# KiCad board demomatrix.kicad_pcb (continued)
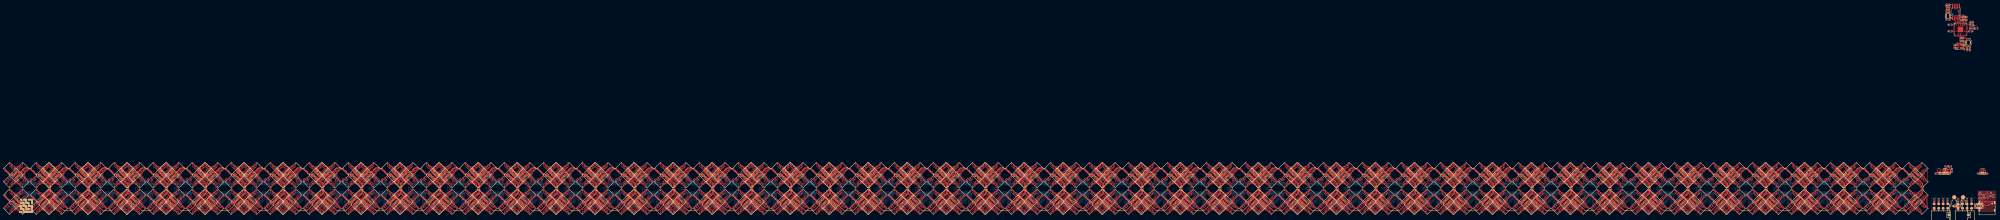
[diagram p0: board, top side]
## Library data of the parts (continued)
C409 = -: Datasheet: https://www.lcsc.com/datasheet/lcsc_datasheet_2304140030_Samsung-Electro-Mechanics-CL21A106KAYNNNE_C15850.pdf; LCSC: C15850; Manufacturer: Samsung Electro-Mechanics; Partnumber: CL21A106KAYNNNE; PARAM_capacitance: {"type": "Quantity_Interval_Disjoint", "data": {"intervals": {"type": "Numeric_Interval_Disjoint", "data": {"intervals": [{"type": "Numeric_Interval", "data": {"min": 8.999999985e-06, "max": 1.1000000015e-05}}]}}, "unit": "farad"}}; PARAM_max_voltage: {"type": "Quantity_Set_Discrete", "data": {"intervals": {"type": "Numeric_Interval_Disjoint", "data": {"intervals": [{"type": "Numeric_Interval", "data": {"min": 25.0, "max": 25.0}}]}}, "unit": "volt"}}; PARAM_temperature_coefficient: {"type": "EnumSet", "data": {"elements": [{"name": "X5R"}], "enum": {"name": "TemperatureCoefficient", "values": {"Y5V": 1, "Z5U": 2, "X7S": 3, "X5R": 4, "X6R": 5, "X7R": 6, "X8R": 7, "C0G": 8}}}}; atopile_address: clusters[45].decoupling_capacitors[3]; atopile_subaddresses: [elec/layout/cluster2x2/cluster2x2.kicad_pcb:decoupling_capacitors[3]]
C410 = -: Datasheet: https://www.lcsc.com/datasheet/lcsc_datasheet_2304140030_Samsung-Electro-Mechanics-CL21A106KAYNNNE_C15850.pdf; LCSC: C15850; Manufacturer: Samsung Electro-Mechanics; Partnumber: CL21A106KAYNNNE; PARAM_capacitance: {"type": "Quantity_Interval_Disjoint", "data": {"intervals": {"type": "Numeric_Interval_Disjoint", "data": {"intervals": [{"type": "Numeric_Interval", "data": {"min": 8.999999985e-06, "max": 1.1000000015e-05}}]}}, "unit": "farad"}}; PARAM_max_voltage: {"type": "Quantity_Set_Discrete", "data": {"intervals": {"type": "Numeric_Interval_Disjoint", "data": {"intervals": [{"type": "Numeric_Interval", "data": {"min": 25.0, "max": 25.0}}]}}, "unit": "volt"}}; PARAM_temperature_coefficient: {"type": "EnumSet", "data": {"elements": [{"name": "X5R"}], "enum": {"name": "TemperatureCoefficient", "values": {"Y5V": 1, "Z5U": 2, "X7S": 3, "X5R": 4, "X6R": 5, "X7R": 6, "X8R": 7, "C0G": 8}}}}; atopile_address: clusters[45].decoupling_capacitors[4]; atopile_subaddresses: [elec/layout/cluster2x2/cluster2x2.kicad_pcb:decoupling_capacitors[4]]
C411 = -: Datasheet: https://www.lcsc.com/datasheet/lcsc_datasheet_2304140030_Samsung-Electro-Mechanics-CL21A106KAYNNNE_C15850.pdf; LCSC: C15850; Manufacturer: Samsung Electro-Mechanics; Partnumber: CL21A106KAYNNNE; PARAM_capacitance: {"type": "Quantity_Interval_Disjoint", "data": {"intervals": {"type": "Numeric_Interval_Disjoint", "data": {"intervals": [{"type": "Numeric_Interval", "data": {"min": 8.999999985e-06, "max": 1.1000000015e-05}}]}}, "unit": "farad"}}; PARAM_max_voltage: {"type": "Quantity_Set_Discrete", "data": {"intervals": {"type": "Numeric_Interval_Disjoint", "data": {"intervals": [{"type": "Numeric_Interval", "data": {"min": 25.0, "max": 25.0}}]}}, "unit": "volt"}}; PARAM_temperature_coefficient: {"type": "EnumSet", "data": {"elements": [{"name": "X5R"}], "enum": {"name": "TemperatureCoefficient", "values": {"Y5V": 1, "Z5U": 2, "X7S": 3, "X5R": 4, "X6R": 5, "X7R": 6, "X8R": 7, "C0G": 8}}}}; atopile_address: clusters[45].decoupling_capacitors[5]; atopile_subaddresses: [elec/layout/cluster2x2/cluster2x2.kicad_pcb:decoupling_capacitors[5]]
C412 = -: Datasheet: https://www.lcsc.com/datasheet/lcsc_datasheet_2304140030_Samsung-Electro-Mechanics-CL21A106KAYNNNE_C15850.pdf; LCSC: C15850; Manufacturer: Samsung Electro-Mechanics; Partnumber: CL21A106KAYNNNE; PARAM_capacitance: {"type": "Quantity_Interval_Disjoint", "data": {"intervals": {"type": "Numeric_Interval_Disjoint", "data": {"intervals": [{"type": "Numeric_Interval", "data": {"min": 8.999999985e-06, "max": 1.1000000015e-05}}]}}, "unit": "farad"}}; PARAM_max_voltage: {"type": "Quantity_Set_Discrete", "data": {"intervals": {"type": "Numeric_Interval_Disjoint", "data": {"intervals": [{"type": "Numeric_Interval", "data": {"min": 25.0, "max": 25.0}}]}}, "unit": "volt"}}; PARAM_temperature_coefficient: {"type": "EnumSet", "data": {"elements": [{"name": "X5R"}], "enum": {"name": "TemperatureCoefficient", "values": {"Y5V": 1, "Z5U": 2, "X7S": 3, "X5R": 4, "X6R": 5, "X7R": 6, "X8R": 7, "C0G": 8}}}}; atopile_address: clusters[45].decoupling_capacitors[6]; atopile_subaddresses: [elec/layout/cluster2x2/cluster2x2.kicad_pcb:decoupling_capacitors[6]]
C413 = -: Datasheet: https://www.lcsc.com/datasheet/lcsc_datasheet_2304140030_Samsung-Electro-Mechanics-CL21A106KAYNNNE_C15850.pdf; LCSC: C15850; Manufacturer: Samsung Electro-Mechanics; Partnumber: CL21A106KAYNNNE; PARAM_capacitance: {"type": "Quantity_Interval_Disjoint", "data": {"intervals": {"type": "Numeric_Interval_Disjoint", "data": {"intervals": [{"type": "Numeric_Interval", "data": {"min": 8.999999985e-06, "max": 1.1000000015e-05}}]}}, "unit": "farad"}}; PARAM_max_voltage: {"type": "Quantity_Set_Discrete", "data": {"intervals": {"type": "Numeric_Interval_Disjoint", "data": {"intervals": [{"type": "Numeric_Interval", "data": {"min": 25.0, "max": 25.0}}]}}, "unit": "volt"}}; PARAM_temperature_coefficient: {"type": "EnumSet", "data": {"elements": [{"name": "X5R"}], "enum": {"name": "TemperatureCoefficient", "values": {"Y5V": 1, "Z5U": 2, "X7S": 3, "X5R": 4, "X6R": 5, "X7R": 6, "X8R": 7, "C0G": 8}}}}; atopile_address: clusters[45].decoupling_capacitors[7]; atopile_subaddresses: [elec/layout/cluster2x2/cluster2x2.kicad_pcb:decoupling_capacitors[7]]
C414 = -: Datasheet: https://www.lcsc.com/datasheet/lcsc_datasheet_2304140030_Samsung-Electro-Mechanics-CL05B104KO5NNNC_C1525.pdf; LCSC: C1525; Manufacturer: Samsung Electro-Mechanics; Partnumber: CL05B104KO5NNNC; PARAM_capacitance: {"type": "Quantity_Interval_Disjoint", "data": {"intervals": {"type": "Numeric_Interval_Disjoint", "data": {"intervals": [{"type": "Numeric_Interval", "data": {"min": 9e-08, "max": 1.1e-07}}]}}, "unit": "farad"}}; PARAM_max_voltage: {"type": "Quantity_Set_Discrete", "data": {"intervals": {"type": "Numeric_Interval_Disjoint", "data": {"intervals": [{"type": "Numeric_Interval", "data": {"min": 16.0, "max": 16.0}}]}}, "unit": "volt"}}; PARAM_temperature_coefficient: {"type": "EnumSet", "data": {"elements": [{"name": "X7R"}], "enum": {"name": "TemperatureCoefficient", "values": {"Y5V": 1, "Z5U": 2, "X7S": 3, "X5R": 4, "X6R": 5, "X7R": 6, "X8R": 7, "C0G": 8}}}}; atopile_address: clusters[45].driver.bypass_capacitor; atopile_subaddresses: [elec/layout/cluster2x2/cluster2x2.kicad_pcb:driver.bypass_capacitor, elec/src/macroblock-mbi5043/layouts/default/default.kicad_pcb:bypass_capacitor]
C415 = -: Datasheet: https://www.lcsc.com/datasheet/lcsc_datasheet_2304140030_Samsung-Electro-Mechanics-CL21A106KAYNNNE_C15850.pdf; LCSC: C15850; Manufacturer: Samsung Electro-Mechanics; Partnumber: CL21A106KAYNNNE; PARAM_capacitance: {"type": "Quantity_Interval_Disjoint", "data": {"intervals": {"type": "Numeric_Interval_Disjoint", "data": {"intervals": [{"type": "Numeric_Interval", "data": {"min": 8.999999985e-06, "max": 1.1000000015e-05}}]}}, "unit": "farad"}}; PARAM_max_voltage: {"type": "Quantity_Set_Discrete", "data": {"intervals": {"type": "Numeric_Interval_Disjoint", "data": {"intervals": [{"type": "Numeric_Interval", "data": {"min": 25.0, "max": 25.0}}]}}, "unit": "volt"}}; PARAM_temperature_coefficient: {"type": "EnumSet", "data": {"elements": [{"name": "X5R"}], "enum": {"name": "TemperatureCoefficient", "values": {"Y5V": 1, "Z5U": 2, "X7S": 3, "X5R": 4, "X6R": 5, "X7R": 6, "X8R": 7, "C0G": 8}}}}; atopile_address: clusters[46].decoupling_capacitors[0]; atopile_subaddresses: [elec/layout/cluster2x2/cluster2x2.kicad_pcb:decoupling_capacitors[0]]
C416 = -: Datasheet: https://www.lcsc.com/datasheet/lcsc_datasheet_2304140030_Samsung-Electro-Mechanics-CL21A106KAYNNNE_C15850.pdf; LCSC: C15850; Manufacturer: Samsung Electro-Mechanics; Partnumber: CL21A106KAYNNNE; PARAM_capacitance: {"type": "Quantity_Interval_Disjoint", "data": {"intervals": {"type": "Numeric_Interval_Disjoint", "data": {"intervals": [{"type": "Numeric_Interval", "data": {"min": 8.999999985e-06, "max": 1.1000000015e-05}}]}}, "unit": "farad"}}; PARAM_max_voltage: {"type": "Quantity_Set_Discrete", "data": {"intervals": {"type": "Numeric_Interval_Disjoint", "data": {"intervals": [{"type": "Numeric_Interval", "data": {"min": 25.0, "max": 25.0}}]}}, "unit": "volt"}}; PARAM_temperature_coefficient: {"type": "EnumSet", "data": {"elements": [{"name": "X5R"}], "enum": {"name": "TemperatureCoefficient", "values": {"Y5V": 1, "Z5U": 2, "X7S": 3, "X5R": 4, "X6R": 5, "X7R": 6, "X8R": 7, "C0G": 8}}}}; atopile_address: clusters[46].decoupling_capacitors[1]; atopile_subaddresses: [elec/layout/cluster2x2/cluster2x2.kicad_pcb:decoupling_capacitors[1]]
C417 = -: Datasheet: https://www.lcsc.com/datasheet/lcsc_datasheet_2304140030_Samsung-Electro-Mechanics-CL21A106KAYNNNE_C15850.pdf; LCSC: C15850; Manufacturer: Samsung Electro-Mechanics; Partnumber: CL21A106KAYNNNE; PARAM_capacitance: {"type": "Quantity_Interval_Disjoint", "data": {"intervals": {"type": "Numeric_Interval_Disjoint", "data": {"intervals": [{"type": "Numeric_Interval", "data": {"min": 8.999999985e-06, "max": 1.1000000015e-05}}]}}, "unit": "farad"}}; PARAM_max_voltage: {"type": "Quantity_Set_Discrete", "data": {"intervals": {"type": "Numeric_Interval_Disjoint", "data": {"intervals": [{"type": "Numeric_Interval", "data": {"min": 25.0, "max": 25.0}}]}}, "unit": "volt"}}; PARAM_temperature_coefficient: {"type": "EnumSet", "data": {"elements": [{"name": "X5R"}], "enum": {"name": "TemperatureCoefficient", "values": {"Y5V": 1, "Z5U": 2, "X7S": 3, "X5R": 4, "X6R": 5, "X7R": 6, "X8R": 7, "C0G": 8}}}}; atopile_address: clusters[46].decoupling_capacitors[2]; atopile_subaddresses: [elec/layout/cluster2x2/cluster2x2.kicad_pcb:decoupling_capacitors[2]]
C418 = -: Datasheet: https://www.lcsc.com/datasheet/lcsc_datasheet_2304140030_Samsung-Electro-Mechanics-CL21A106KAYNNNE_C15850.pdf; LCSC: C15850; Manufacturer: Samsung Electro-Mechanics; Partnumber: CL21A106KAYNNNE; PARAM_capacitance: {"type": "Quantity_Interval_Disjoint", "data": {"intervals": {"type": "Numeric_Interval_Disjoint", "data": {"intervals": [{"type": "Numeric_Interval", "data": {"min": 8.999999985e-06, "max": 1.1000000015e-05}}]}}, "unit": "farad"}}; PARAM_max_voltage: {"type": "Quantity_Set_Discrete", "data": {"intervals": {"type": "Numeric_Interval_Disjoint", "data": {"intervals": [{"type": "Numeric_Interval", "data": {"min": 25.0, "max": 25.0}}]}}, "unit": "volt"}}; PARAM_temperature_coefficient: {"type": "EnumSet", "data": {"elements": [{"name": "X5R"}], "enum": {"name": "TemperatureCoefficient", "values": {"Y5V": 1, "Z5U": 2, "X7S": 3, "X5R": 4, "X6R": 5, "X7R": 6, "X8R": 7, "C0G": 8}}}}; atopile_address: clusters[46].decoupling_capacitors[3]; atopile_subaddresses: [elec/layout/cluster2x2/cluster2x2.kicad_pcb:decoupling_capacitors[3]]
C419 = -: Datasheet: https://www.lcsc.com/datasheet/lcsc_datasheet_2304140030_Samsung-Electro-Mechanics-CL21A106KAYNNNE_C15850.pdf; LCSC: C15850; Manufacturer: Samsung Electro-Mechanics; Partnumber: CL21A106KAYNNNE; PARAM_capacitance: {"type": "Quantity_Interval_Disjoint", "data": {"intervals": {"type": "Numeric_Interval_Disjoint", "data": {"intervals": [{"type": "Numeric_Interval", "data": {"min": 8.999999985e-06, "max": 1.1000000015e-05}}]}}, "unit": "farad"}}; PARAM_max_voltage: {"type": "Quantity_Set_Discrete", "data": {"intervals": {"type": "Numeric_Interval_Disjoint", "data": {"intervals": [{"type": "Numeric_Interval", "data": {"min": 25.0, "max": 25.0}}]}}, "unit": "volt"}}; PARAM_temperature_coefficient: {"type": "EnumSet", "data": {"elements": [{"name": "X5R"}], "enum": {"name": "TemperatureCoefficient", "values": {"Y5V": 1, "Z5U": 2, "X7S": 3, "X5R": 4, "X6R": 5, "X7R": 6, "X8R": 7, "C0G": 8}}}}; atopile_address: clusters[46].decoupling_capacitors[4]; atopile_subaddresses: [elec/layout/cluster2x2/cluster2x2.kicad_pcb:decoupling_capacitors[4]]
C420 = -: Datasheet: https://www.lcsc.com/datasheet/lcsc_datasheet_2304140030_Samsung-Electro-Mechanics-CL21A106KAYNNNE_C15850.pdf; LCSC: C15850; Manufacturer: Samsung Electro-Mechanics; Partnumber: CL21A106KAYNNNE; PARAM_capacitance: {"type": "Quantity_Interval_Disjoint", "data": {"intervals": {"type": "Numeric_Interval_Disjoint", "data": {"intervals": [{"type": "Numeric_Interval", "data": {"min": 8.999999985e-06, "max": 1.1000000015e-05}}]}}, "unit": "farad"}}; PARAM_max_voltage: {"type": "Quantity_Set_Discrete", "data": {"intervals": {"type": "Numeric_Interval_Disjoint", "data": {"intervals": [{"type": "Numeric_Interval", "data": {"min": 25.0, "max": 25.0}}]}}, "unit": "volt"}}; PARAM_temperature_coefficient: {"type": "EnumSet", "data": {"elements": [{"name": "X5R"}], "enum": {"name": "TemperatureCoefficient", "values": {"Y5V": 1, "Z5U": 2, "X7S": 3, "X5R": 4, "X6R": 5, "X7R": 6, "X8R": 7, "C0G": 8}}}}; atopile_address: clusters[46].decoupling_capacitors[5]; atopile_subaddresses: [elec/layout/cluster2x2/cluster2x2.kicad_pcb:decoupling_capacitors[5]]
C421 = -: Datasheet: https://www.lcsc.com/datasheet/lcsc_datasheet_2304140030_Samsung-Electro-Mechanics-CL21A106KAYNNNE_C15850.pdf; LCSC: C15850; Manufacturer: Samsung Electro-Mechanics; Partnumber: CL21A106KAYNNNE; PARAM_capacitance: {"type": "Quantity_Interval_Disjoint", "data": {"intervals": {"type": "Numeric_Interval_Disjoint", "data": {"intervals": [{"type": "Numeric_Interval", "data": {"min": 8.999999985e-06, "max": 1.1000000015e-05}}]}}, "unit": "farad"}}; PARAM_max_voltage: {"type": "Quantity_Set_Discrete", "data": {"intervals": {"type": "Numeric_Interval_Disjoint", "data": {"intervals": [{"type": "Numeric_Interval", "data": {"min": 25.0, "max": 25.0}}]}}, "unit": "volt"}}; PARAM_temperature_coefficient: {"type": "EnumSet", "data": {"elements": [{"name": "X5R"}], "enum": {"name": "TemperatureCoefficient", "values": {"Y5V": 1, "Z5U": 2, "X7S": 3, "X5R": 4, "X6R": 5, "X7R": 6, "X8R": 7, "C0G": 8}}}}; atopile_address: clusters[46].decoupling_capacitors[6]; atopile_subaddresses: [elec/layout/cluster2x2/cluster2x2.kicad_pcb:decoupling_capacitors[6]]
C422 = -: Datasheet: https://www.lcsc.com/datasheet/lcsc_datasheet_2304140030_Samsung-Electro-Mechanics-CL21A106KAYNNNE_C15850.pdf; LCSC: C15850; Manufacturer: Samsung Electro-Mechanics; Partnumber: CL21A106KAYNNNE; PARAM_capacitance: {"type": "Quantity_Interval_Disjoint", "data": {"intervals": {"type": "Numeric_Interval_Disjoint", "data": {"intervals": [{"type": "Numeric_Interval", "data": {"min": 8.999999985e-06, "max": 1.1000000015e-05}}]}}, "unit": "farad"}}; PARAM_max_voltage: {"type": "Quantity_Set_Discrete", "data": {"intervals": {"type": "Numeric_Interval_Disjoint", "data": {"intervals": [{"type": "Numeric_Interval", "data": {"min": 25.0, "max": 25.0}}]}}, "unit": "volt"}}; PARAM_temperature_coefficient: {"type": "EnumSet", "data": {"elements": [{"name": "X5R"}], "enum": {"name": "TemperatureCoefficient", "values": {"Y5V": 1, "Z5U": 2, "X7S": 3, "X5R": 4, "X6R": 5, "X7R": 6, "X8R": 7, "C0G": 8}}}}; atopile_address: clusters[46].decoupling_capacitors[7]; atopile_subaddresses: [elec/layout/cluster2x2/cluster2x2.kicad_pcb:decoupling_capacitors[7]]
C423 = -: Datasheet: https://www.lcsc.com/datasheet/lcsc_datasheet_2304140030_Samsung-Electro-Mechanics-CL05B104KO5NNNC_C1525.pdf; LCSC: C1525; Manufacturer: Samsung Electro-Mechanics; Partnumber: CL05B104KO5NNNC; PARAM_capacitance: {"type": "Quantity_Interval_Disjoint", "data": {"intervals": {"type": "Numeric_Interval_Disjoint", "data": {"intervals": [{"type": "Numeric_Interval", "data": {"min": 9e-08, "max": 1.1e-07}}]}}, "unit": "farad"}}; PARAM_max_voltage: {"type": "Quantity_Set_Discrete", "data": {"intervals": {"type": "Numeric_Interval_Disjoint", "data": {"intervals": [{"type": "Numeric_Interval", "data": {"min": 16.0, "max": 16.0}}]}}, "unit": "volt"}}; PARAM_temperature_coefficient: {"type": "EnumSet", "data": {"elements": [{"name": "X7R"}], "enum": {"name": "TemperatureCoefficient", "values": {"Y5V": 1, "Z5U": 2, "X7S": 3, "X5R": 4, "X6R": 5, "X7R": 6, "X8R": 7, "C0G": 8}}}}; atopile_address: clusters[46].driver.bypass_capacitor; atopile_subaddresses: [elec/layout/cluster2x2/cluster2x2.kicad_pcb:driver.bypass_capacitor, elec/src/macroblock-mbi5043/layouts/default/default.kicad_pcb:bypass_capacitor]
C424 = -: Datasheet: https://www.lcsc.com/datasheet/lcsc_datasheet_2304140030_Samsung-Electro-Mechanics-CL21A106KAYNNNE_C15850.pdf; LCSC: C15850; Manufacturer: Samsung Electro-Mechanics; Partnumber: CL21A106KAYNNNE; PARAM_capacitance: {"type": "Quantity_Interval_Disjoint", "data": {"intervals": {"type": "Numeric_Interval_Disjoint", "data": {"intervals": [{"type": "Numeric_Interval", "data": {"min": 8.999999985e-06, "max": 1.1000000015e-05}}]}}, "unit": "farad"}}; PARAM_max_voltage: {"type": "Quantity_Set_Discrete", "data": {"intervals": {"type": "Numeric_Interval_Disjoint", "data": {"intervals": [{"type": "Numeric_Interval", "data": {"min": 25.0, "max": 25.0}}]}}, "unit": "volt"}}; PARAM_temperature_coefficient: {"type": "EnumSet", "data": {"elements": [{"name": "X5R"}], "enum": {"name": "TemperatureCoefficient", "values": {"Y5V": 1, "Z5U": 2, "X7S": 3, "X5R": 4, "X6R": 5, "X7R": 6, "X8R": 7, "C0G": 8}}}}; atopile_address: clusters[47].decoupling_capacitors[0]; atopile_subaddresses: [elec/layout/cluster2x2/cluster2x2.kicad_pcb:decoupling_capacitors[0]]
C425 = -: Datasheet: https://www.lcsc.com/datasheet/lcsc_datasheet_2304140030_Samsung-Electro-Mechanics-CL21A106KAYNNNE_C15850.pdf; LCSC: C15850; Manufacturer: Samsung Electro-Mechanics; Partnumber: CL21A106KAYNNNE; PARAM_capacitance: {"type": "Quantity_Interval_Disjoint", "data": {"intervals": {"type": "Numeric_Interval_Disjoint", "data": {"intervals": [{"type": "Numeric_Interval", "data": {"min": 8.999999985e-06, "max": 1.1000000015e-05}}]}}, "unit": "farad"}}; PARAM_max_voltage: {"type": "Quantity_Set_Discrete", "data": {"intervals": {"type": "Numeric_Interval_Disjoint", "data": {"intervals": [{"type": "Numeric_Interval", "data": {"min": 25.0, "max": 25.0}}]}}, "unit": "volt"}}; PARAM_temperature_coefficient: {"type": "EnumSet", "data": {"elements": [{"name": "X5R"}], "enum": {"name": "TemperatureCoefficient", "values": {"Y5V": 1, "Z5U": 2, "X7S": 3, "X5R": 4, "X6R": 5, "X7R": 6, "X8R": 7, "C0G": 8}}}}; atopile_address: clusters[47].decoupling_capacitors[1]; atopile_subaddresses: [elec/layout/cluster2x2/cluster2x2.kicad_pcb:decoupling_capacitors[1]]
C426 = -: Datasheet: https://www.lcsc.com/datasheet/lcsc_datasheet_2304140030_Samsung-Electro-Mechanics-CL21A106KAYNNNE_C15850.pdf; LCSC: C15850; Manufacturer: Samsung Electro-Mechanics; Partnumber: CL21A106KAYNNNE; PARAM_capacitance: {"type": "Quantity_Interval_Disjoint", "data": {"intervals": {"type": "Numeric_Interval_Disjoint", "data": {"intervals": [{"type": "Numeric_Interval", "data": {"min": 8.999999985e-06, "max": 1.1000000015e-05}}]}}, "unit": "farad"}}; PARAM_max_voltage: {"type": "Quantity_Set_Discrete", "data": {"intervals": {"type": "Numeric_Interval_Disjoint", "data": {"intervals": [{"type": "Numeric_Interval", "data": {"min": 25.0, "max": 25.0}}]}}, "unit": "volt"}}; PARAM_temperature_coefficient: {"type": "EnumSet", "data": {"elements": [{"name": "X5R"}], "enum": {"name": "TemperatureCoefficient", "values": {"Y5V": 1, "Z5U": 2, "X7S": 3, "X5R": 4, "X6R": 5, "X7R": 6, "X8R": 7, "C0G": 8}}}}; atopile_address: clusters[47].decoupling_capacitors[2]; atopile_subaddresses: [elec/layout/cluster2x2/cluster2x2.kicad_pcb:decoupling_capacitors[2]]
C427 = -: Datasheet: https://www.lcsc.com/datasheet/lcsc_datasheet_2304140030_Samsung-Electro-Mechanics-CL21A106KAYNNNE_C15850.pdf; LCSC: C15850; Manufacturer: Samsung Electro-Mechanics; Partnumber: CL21A106KAYNNNE; PARAM_capacitance: {"type": "Quantity_Interval_Disjoint", "data": {"intervals": {"type": "Numeric_Interval_Disjoint", "data": {"intervals": [{"type": "Numeric_Interval", "data": {"min": 8.999999985e-06, "max": 1.1000000015e-05}}]}}, "unit": "farad"}}; PARAM_max_voltage: {"type": "Quantity_Set_Discrete", "data": {"intervals": {"type": "Numeric_Interval_Disjoint", "data": {"intervals": [{"type": "Numeric_Interval", "data": {"min": 25.0, "max": 25.0}}]}}, "unit": "volt"}}; PARAM_temperature_coefficient: {"type": "EnumSet", "data": {"elements": [{"name": "X5R"}], "enum": {"name": "TemperatureCoefficient", "values": {"Y5V": 1, "Z5U": 2, "X7S": 3, "X5R": 4, "X6R": 5, "X7R": 6, "X8R": 7, "C0G": 8}}}}; atopile_address: clusters[47].decoupling_capacitors[3]; atopile_subaddresses: [elec/layout/cluster2x2/cluster2x2.kicad_pcb:decoupling_capacitors[3]]
C428 = -: Datasheet: https://www.lcsc.com/datasheet/lcsc_datasheet_2304140030_Samsung-Electro-Mechanics-CL21A106KAYNNNE_C15850.pdf; LCSC: C15850; Manufacturer: Samsung Electro-Mechanics; Partnumber: CL21A106KAYNNNE; PARAM_capacitance: {"type": "Quantity_Interval_Disjoint", "data": {"intervals": {"type": "Numeric_Interval_Disjoint", "data": {"intervals": [{"type": "Numeric_Interval", "data": {"min": 8.999999985e-06, "max": 1.1000000015e-05}}]}}, "unit": "farad"}}; PARAM_max_voltage: {"type": "Quantity_Set_Discrete", "data": {"intervals": {"type": "Numeric_Interval_Disjoint", "data": {"intervals": [{"type": "Numeric_Interval", "data": {"min": 25.0, "max": 25.0}}]}}, "unit": "volt"}}; PARAM_temperature_coefficient: {"type": "EnumSet", "data": {"elements": [{"name": "X5R"}], "enum": {"name": "TemperatureCoefficient", "values": {"Y5V": 1, "Z5U": 2, "X7S": 3, "X5R": 4, "X6R": 5, "X7R": 6, "X8R": 7, "C0G": 8}}}}; atopile_address: clusters[47].decoupling_capacitors[4]; atopile_subaddresses: [elec/layout/cluster2x2/cluster2x2.kicad_pcb:decoupling_capacitors[4]]
C429 = -: Datasheet: https://www.lcsc.com/datasheet/lcsc_datasheet_2304140030_Samsung-Electro-Mechanics-CL21A106KAYNNNE_C15850.pdf; LCSC: C15850; Manufacturer: Samsung Electro-Mechanics; Partnumber: CL21A106KAYNNNE; PARAM_capacitance: {"type": "Quantity_Interval_Disjoint", "data": {"intervals": {"type": "Numeric_Interval_Disjoint", "data": {"intervals": [{"type": "Numeric_Interval", "data": {"min": 8.999999985e-06, "max": 1.1000000015e-05}}]}}, "unit": "farad"}}; PARAM_max_voltage: {"type": "Quantity_Set_Discrete", "data": {"intervals": {"type": "Numeric_Interval_Disjoint", "data": {"intervals": [{"type": "Numeric_Interval", "data": {"min": 25.0, "max": 25.0}}]}}, "unit": "volt"}}; PARAM_temperature_coefficient: {"type": "EnumSet", "data": {"elements": [{"name": "X5R"}], "enum": {"name": "TemperatureCoefficient", "values": {"Y5V": 1, "Z5U": 2, "X7S": 3, "X5R": 4, "X6R": 5, "X7R": 6, "X8R": 7, "C0G": 8}}}}; atopile_address: clusters[47].decoupling_capacitors[5]; atopile_subaddresses: [elec/layout/cluster2x2/cluster2x2.kicad_pcb:decoupling_capacitors[5]]
C430 = -: Datasheet: https://www.lcsc.com/datasheet/lcsc_datasheet_2304140030_Samsung-Electro-Mechanics-CL21A106KAYNNNE_C15850.pdf; LCSC: C15850; Manufacturer: Samsung Electro-Mechanics; Partnumber: CL21A106KAYNNNE; PARAM_capacitance: {"type": "Quantity_Interval_Disjoint", "data": {"intervals": {"type": "Numeric_Interval_Disjoint", "data": {"intervals": [{"type": "Numeric_Interval", "data": {"min": 8.999999985e-06, "max": 1.1000000015e-05}}]}}, "unit": "farad"}}; PARAM_max_voltage: {"type": "Quantity_Set_Discrete", "data": {"intervals": {"type": "Numeric_Interval_Disjoint", "data": {"intervals": [{"type": "Numeric_Interval", "data": {"min": 25.0, "max": 25.0}}]}}, "unit": "volt"}}; PARAM_temperature_coefficient: {"type": "EnumSet", "data": {"elements": [{"name": "X5R"}], "enum": {"name": "TemperatureCoefficient", "values": {"Y5V": 1, "Z5U": 2, "X7S": 3, "X5R": 4, "X6R": 5, "X7R": 6, "X8R": 7, "C0G": 8}}}}; atopile_address: clusters[47].decoupling_capacitors[6]; atopile_subaddresses: [elec/layout/cluster2x2/cluster2x2.kicad_pcb:decoupling_capacitors[6]]
C431 = -: Datasheet: https://www.lcsc.com/datasheet/lcsc_datasheet_2304140030_Samsung-Electro-Mechanics-CL21A106KAYNNNE_C15850.pdf; LCSC: C15850; Manufacturer: Samsung Electro-Mechanics; Partnumber: CL21A106KAYNNNE; PARAM_capacitance: {"type": "Quantity_Interval_Disjoint", "data": {"intervals": {"type": "Numeric_Interval_Disjoint", "data": {"intervals": [{"type": "Numeric_Interval", "data": {"min": 8.999999985e-06, "max": 1.1000000015e-05}}]}}, "unit": "farad"}}; PARAM_max_voltage: {"type": "Quantity_Set_Discrete", "data": {"intervals": {"type": "Numeric_Interval_Disjoint", "data": {"intervals": [{"type": "Numeric_Interval", "data": {"min": 25.0, "max": 25.0}}]}}, "unit": "volt"}}; PARAM_temperature_coefficient: {"type": "EnumSet", "data": {"elements": [{"name": "X5R"}], "enum": {"name": "TemperatureCoefficient", "values": {"Y5V": 1, "Z5U": 2, "X7S": 3, "X5R": 4, "X6R": 5, "X7R": 6, "X8R": 7, "C0G": 8}}}}; atopile_address: clusters[47].decoupling_capacitors[7]; atopile_subaddresses: [elec/layout/cluster2x2/cluster2x2.kicad_pcb:decoupling_capacitors[7]]
C432 = -: Datasheet: https://www.lcsc.com/datasheet/lcsc_datasheet_2304140030_Samsung-Electro-Mechanics-CL05B104KO5NNNC_C1525.pdf; LCSC: C1525; Manufacturer: Samsung Electro-Mechanics; Partnumber: CL05B104KO5NNNC; PARAM_capacitance: {"type": "Quantity_Interval_Disjoint", "data": {"intervals": {"type": "Numeric_Interval_Disjoint", "data": {"intervals": [{"type": "Numeric_Interval", "data": {"min": 9e-08, "max": 1.1e-07}}]}}, "unit": "farad"}}; PARAM_max_voltage: {"type": "Quantity_Set_Discrete", "data": {"intervals": {"type": "Numeric_Interval_Disjoint", "data": {"intervals": [{"type": "Numeric_Interval", "data": {"min": 16.0, "max": 16.0}}]}}, "unit": "volt"}}; PARAM_temperature_coefficient: {"type": "EnumSet", "data": {"elements": [{"name": "X7R"}], "enum": {"name": "TemperatureCoefficient", "values": {"Y5V": 1, "Z5U": 2, "X7S": 3, "X5R": 4, "X6R": 5, "X7R": 6, "X8R": 7, "C0G": 8}}}}; atopile_address: clusters[47].driver.bypass_capacitor; atopile_subaddresses: [elec/layout/cluster2x2/cluster2x2.kicad_pcb:driver.bypass_capacitor, elec/src/macroblock-mbi5043/layouts/default/default.kicad_pcb:bypass_capacitor]
C433 = -: Datasheet: https://www.lcsc.com/datasheet/lcsc_datasheet_2304140030_Samsung-Electro-Mechanics-CL21A106KAYNNNE_C15850.pdf; LCSC: C15850; Manufacturer: Samsung Electro-Mechanics; Partnumber: CL21A106KAYNNNE; PARAM_capacitance: {"type": "Quantity_Interval_Disjoint", "data": {"intervals": {"type": "Numeric_Interval_Disjoint", "data": {"intervals": [{"type": "Numeric_Interval", "data": {"min": 8.999999985e-06, "max": 1.1000000015e-05}}]}}, "unit": "farad"}}; PARAM_max_voltage: {"type": "Quantity_Set_Discrete", "data": {"intervals": {"type": "Numeric_Interval_Disjoint", "data": {"intervals": [{"type": "Numeric_Interval", "data": {"min": 25.0, "max": 25.0}}]}}, "unit": "volt"}}; PARAM_temperature_coefficient: {"type": "EnumSet", "data": {"elements": [{"name": "X5R"}], "enum": {"name": "TemperatureCoefficient", "values": {"Y5V": 1, "Z5U": 2, "X7S": 3, "X5R": 4, "X6R": 5, "X7R": 6, "X8R": 7, "C0G": 8}}}}; atopile_address: clusters[48].decoupling_capacitors[0]; atopile_subaddresses: [elec/layout/cluster2x2/cluster2x2.kicad_pcb:decoupling_capacitors[0]]
C434 = -: Datasheet: https://www.lcsc.com/datasheet/lcsc_datasheet_2304140030_Samsung-Electro-Mechanics-CL21A106KAYNNNE_C15850.pdf; LCSC: C15850; Manufacturer: Samsung Electro-Mechanics; Partnumber: CL21A106KAYNNNE; PARAM_capacitance: {"type": "Quantity_Interval_Disjoint", "data": {"intervals": {"type": "Numeric_Interval_Disjoint", "data": {"intervals": [{"type": "Numeric_Interval", "data": {"min": 8.999999985e-06, "max": 1.1000000015e-05}}]}}, "unit": "farad"}}; PARAM_max_voltage: {"type": "Quantity_Set_Discrete", "data": {"intervals": {"type": "Numeric_Interval_Disjoint", "data": {"intervals": [{"type": "Numeric_Interval", "data": {"min": 25.0, "max": 25.0}}]}}, "unit": "volt"}}; PARAM_temperature_coefficient: {"type": "EnumSet", "data": {"elements": [{"name": "X5R"}], "enum": {"name": "TemperatureCoefficient", "values": {"Y5V": 1, "Z5U": 2, "X7S": 3, "X5R": 4, "X6R": 5, "X7R": 6, "X8R": 7, "C0G": 8}}}}; atopile_address: clusters[48].decoupling_capacitors[1]; atopile_subaddresses: [elec/layout/cluster2x2/cluster2x2.kicad_pcb:decoupling_capacitors[1]]
C435 = -: Datasheet: https://www.lcsc.com/datasheet/lcsc_datasheet_2304140030_Samsung-Electro-Mechanics-CL21A106KAYNNNE_C15850.pdf; LCSC: C15850; Manufacturer: Samsung Electro-Mechanics; Partnumber: CL21A106KAYNNNE; PARAM_capacitance: {"type": "Quantity_Interval_Disjoint", "data": {"intervals": {"type": "Numeric_Interval_Disjoint", "data": {"intervals": [{"type": "Numeric_Interval", "data": {"min": 8.999999985e-06, "max": 1.1000000015e-05}}]}}, "unit": "farad"}}; PARAM_max_voltage: {"type": "Quantity_Set_Discrete", "data": {"intervals": {"type": "Numeric_Interval_Disjoint", "data": {"intervals": [{"type": "Numeric_Interval", "data": {"min": 25.0, "max": 25.0}}]}}, "unit": "volt"}}; PARAM_temperature_coefficient: {"type": "EnumSet", "data": {"elements": [{"name": "X5R"}], "enum": {"name": "TemperatureCoefficient", "values": {"Y5V": 1, "Z5U": 2, "X7S": 3, "X5R": 4, "X6R": 5, "X7R": 6, "X8R": 7, "C0G": 8}}}}; atopile_address: clusters[48].decoupling_capacitors[2]; atopile_subaddresses: [elec/layout/cluster2x2/cluster2x2.kicad_pcb:decoupling_capacitors[2]]
C436 = -: Datasheet: https://www.lcsc.com/datasheet/lcsc_datasheet_2304140030_Samsung-Electro-Mechanics-CL21A106KAYNNNE_C15850.pdf; LCSC: C15850; Manufacturer: Samsung Electro-Mechanics; Partnumber: CL21A106KAYNNNE; PARAM_capacitance: {"type": "Quantity_Interval_Disjoint", "data": {"intervals": {"type": "Numeric_Interval_Disjoint", "data": {"intervals": [{"type": "Numeric_Interval", "data": {"min": 8.999999985e-06, "max": 1.1000000015e-05}}]}}, "unit": "farad"}}; PARAM_max_voltage: {"type": "Quantity_Set_Discrete", "data": {"intervals": {"type": "Numeric_Interval_Disjoint", "data": {"intervals": [{"type": "Numeric_Interval", "data": {"min": 25.0, "max": 25.0}}]}}, "unit": "volt"}}; PARAM_temperature_coefficient: {"type": "EnumSet", "data": {"elements": [{"name": "X5R"}], "enum": {"name": "TemperatureCoefficient", "values": {"Y5V": 1, "Z5U": 2, "X7S": 3, "X5R": 4, "X6R": 5, "X7R": 6, "X8R": 7, "C0G": 8}}}}; atopile_address: clusters[48].decoupling_capacitors[3]; atopile_subaddresses: [elec/layout/cluster2x2/cluster2x2.kicad_pcb:decoupling_capacitors[3]]
C437 = -: Datasheet: https://www.lcsc.com/datasheet/lcsc_datasheet_2304140030_Samsung-Electro-Mechanics-CL21A106KAYNNNE_C15850.pdf; LCSC: C15850; Manufacturer: Samsung Electro-Mechanics; Partnumber: CL21A106KAYNNNE; PARAM_capacitance: {"type": "Quantity_Interval_Disjoint", "data": {"intervals": {"type": "Numeric_Interval_Disjoint", "data": {"intervals": [{"type": "Numeric_Interval", "data": {"min": 8.999999985e-06, "max": 1.1000000015e-05}}]}}, "unit": "farad"}}; PARAM_max_voltage: {"type": "Quantity_Set_Discrete", "data": {"intervals": {"type": "Numeric_Interval_Disjoint", "data": {"intervals": [{"type": "Numeric_Interval", "data": {"min": 25.0, "max": 25.0}}]}}, "unit": "volt"}}; PARAM_temperature_coefficient: {"type": "EnumSet", "data": {"elements": [{"name": "X5R"}], "enum": {"name": "TemperatureCoefficient", "values": {"Y5V": 1, "Z5U": 2, "X7S": 3, "X5R": 4, "X6R": 5, "X7R": 6, "X8R": 7, "C0G": 8}}}}; atopile_address: clusters[48].decoupling_capacitors[4]; atopile_subaddresses: [elec/layout/cluster2x2/cluster2x2.kicad_pcb:decoupling_capacitors[4]]
C438 = -: Datasheet: https://www.lcsc.com/datasheet/lcsc_datasheet_2304140030_Samsung-Electro-Mechanics-CL21A106KAYNNNE_C15850.pdf; LCSC: C15850; Manufacturer: Samsung Electro-Mechanics; Partnumber: CL21A106KAYNNNE; PARAM_capacitance: {"type": "Quantity_Interval_Disjoint", "data": {"intervals": {"type": "Numeric_Interval_Disjoint", "data": {"intervals": [{"type": "Numeric_Interval", "data": {"min": 8.999999985e-06, "max": 1.1000000015e-05}}]}}, "unit": "farad"}}; PARAM_max_voltage: {"type": "Quantity_Set_Discrete", "data": {"intervals": {"type": "Numeric_Interval_Disjoint", "data": {"intervals": [{"type": "Numeric_Interval", "data": {"min": 25.0, "max": 25.0}}]}}, "unit": "volt"}}; PARAM_temperature_coefficient: {"type": "EnumSet", "data": {"elements": [{"name": "X5R"}], "enum": {"name": "TemperatureCoefficient", "values": {"Y5V": 1, "Z5U": 2, "X7S": 3, "X5R": 4, "X6R": 5, "X7R": 6, "X8R": 7, "C0G": 8}}}}; atopile_address: clusters[48].decoupling_capacitors[5]; atopile_subaddresses: [elec/layout/cluster2x2/cluster2x2.kicad_pcb:decoupling_capacitors[5]]
C439 = -: Datasheet: https://www.lcsc.com/datasheet/lcsc_datasheet_2304140030_Samsung-Electro-Mechanics-CL21A106KAYNNNE_C15850.pdf; LCSC: C15850; Manufacturer: Samsung Electro-Mechanics; Partnumber: CL21A106KAYNNNE; PARAM_capacitance: {"type": "Quantity_Interval_Disjoint", "data": {"intervals": {"type": "Numeric_Interval_Disjoint", "data": {"intervals": [{"type": "Numeric_Interval", "data": {"min": 8.999999985e-06, "max": 1.1000000015e-05}}]}}, "unit": "farad"}}; PARAM_max_voltage: {"type": "Quantity_Set_Discrete", "data": {"intervals": {"type": "Numeric_Interval_Disjoint", "data": {"intervals": [{"type": "Numeric_Interval", "data": {"min": 25.0, "max": 25.0}}]}}, "unit": "volt"}}; PARAM_temperature_coefficient: {"type": "EnumSet", "data": {"elements": [{"name": "X5R"}], "enum": {"name": "TemperatureCoefficient", "values": {"Y5V": 1, "Z5U": 2, "X7S": 3, "X5R": 4, "X6R": 5, "X7R": 6, "X8R": 7, "C0G": 8}}}}; atopile_address: clusters[48].decoupling_capacitors[6]; atopile_subaddresses: [elec/layout/cluster2x2/cluster2x2.kicad_pcb:decoupling_capacitors[6]]
C440 = -: Datasheet: https://www.lcsc.com/datasheet/lcsc_datasheet_2304140030_Samsung-Electro-Mechanics-CL21A106KAYNNNE_C15850.pdf; LCSC: C15850; Manufacturer: Samsung Electro-Mechanics; Partnumber: CL21A106KAYNNNE; PARAM_capacitance: {"type": "Quantity_Interval_Disjoint", "data": {"intervals": {"type": "Numeric_Interval_Disjoint", "data": {"intervals": [{"type": "Numeric_Interval", "data": {"min": 8.999999985e-06, "max": 1.1000000015e-05}}]}}, "unit": "farad"}}; PARAM_max_voltage: {"type": "Quantity_Set_Discrete", "data": {"intervals": {"type": "Numeric_Interval_Disjoint", "data": {"intervals": [{"type": "Numeric_Interval", "data": {"min": 25.0, "max": 25.0}}]}}, "unit": "volt"}}; PARAM_temperature_coefficient: {"type": "EnumSet", "data": {"elements": [{"name": "X5R"}], "enum": {"name": "TemperatureCoefficient", "values": {"Y5V": 1, "Z5U": 2, "X7S": 3, "X5R": 4, "X6R": 5, "X7R": 6, "X8R": 7, "C0G": 8}}}}; atopile_address: clusters[48].decoupling_capacitors[7]; atopile_subaddresses: [elec/layout/cluster2x2/cluster2x2.kicad_pcb:decoupling_capacitors[7]]
C441 = -: Datasheet: https://www.lcsc.com/datasheet/lcsc_datasheet_2304140030_Samsung-Electro-Mechanics-CL05B104KO5NNNC_C1525.pdf; LCSC: C1525; Manufacturer: Samsung Electro-Mechanics; Partnumber: CL05B104KO5NNNC; PARAM_capacitance: {"type": "Quantity_Interval_Disjoint", "data": {"intervals": {"type": "Numeric_Interval_Disjoint", "data": {"intervals": [{"type": "Numeric_Interval", "data": {"min": 9e-08, "max": 1.1e-07}}]}}, "unit": "farad"}}; PARAM_max_voltage: {"type": "Quantity_Set_Discrete", "data": {"intervals": {"type": "Numeric_Interval_Disjoint", "data": {"intervals": [{"type": "Numeric_Interval", "data": {"min": 16.0, "max": 16.0}}]}}, "unit": "volt"}}; PARAM_temperature_coefficient: {"type": "EnumSet", "data": {"elements": [{"name": "X7R"}], "enum": {"name": "TemperatureCoefficient", "values": {"Y5V": 1, "Z5U": 2, "X7S": 3, "X5R": 4, "X6R": 5, "X7R": 6, "X8R": 7, "C0G": 8}}}}; atopile_address: clusters[48].driver.bypass_capacitor; atopile_subaddresses: [elec/layout/cluster2x2/cluster2x2.kicad_pcb:driver.bypass_capacitor, elec/src/macroblock-mbi5043/layouts/default/default.kicad_pcb:bypass_capacitor]
C442 = -: Datasheet: https://www.lcsc.com/datasheet/lcsc_datasheet_2304140030_Samsung-Electro-Mechanics-CL05B104KO5NNNC_C1525.pdf; LCSC: C1525; Manufacturer: Samsung Electro-Mechanics; Partnumber: CL05B104KO5NNNC; PARAM_capacitance: {"type": "Quantity_Interval_Disjoint", "data": {"intervals": {"type": "Numeric_Interval_Disjoint", "data": {"intervals": [{"type": "Numeric_Interval", "data": {"min": 9e-08, "max": 1.1e-07}}]}}, "unit": "farad"}}; PARAM_max_voltage: {"type": "Quantity_Set_Discrete", "data": {"intervals": {"type": "Numeric_Interval_Disjoint", "data": {"intervals": [{"type": "Numeric_Interval", "data": {"min": 16.0, "max": 16.0}}]}}, "unit": "volt"}}; PARAM_temperature_coefficient: {"type": "EnumSet", "data": {"elements": [{"name": "X7R"}], "enum": {"name": "TemperatureCoefficient", "values": {"Y5V": 1, "Z5U": 2, "X7S": 3, "X5R": 4, "X6R": 5, "X7R": 6, "X8R": 7, "C0G": 8}}}}; atopile_address: dclk_shifter.decoupling_caps[0]; atopile_subaddresses: [.ato/modules/atopile/diodes-inc-74lvc1t45dw-7/layouts/default/default.kicad_pcb:decoupling_caps[0]]
C443 = -: Datasheet: https://www.lcsc.com/datasheet/lcsc_datasheet_2304140030_Samsung-Electro-Mechanics-CL05B104KO5NNNC_C1525.pdf; LCSC: C1525; Manufacturer: Samsung Electro-Mechanics; Partnumber: CL05B104KO5NNNC; PARAM_capacitance: {"type": "Quantity_Interval_Disjoint", "data": {"intervals": {"type": "Numeric_Interval_Disjoint", "data": {"intervals": [{"type": "Numeric_Interval", "data": {"min": 9e-08, "max": 1.1e-07}}]}}, "unit": "farad"}}; PARAM_max_voltage: {"type": "Quantity_Set_Discrete", "data": {"intervals": {"type": "Numeric_Interval_Disjoint", "data": {"intervals": [{"type": "Numeric_Interval", "data": {"min": 16.0, "max": 16.0}}]}}, "unit": "volt"}}; PARAM_temperature_coefficient: {"type": "EnumSet", "data": {"elements": [{"name": "X7R"}], "enum": {"name": "TemperatureCoefficient", "values": {"Y5V": 1, "Z5U": 2, "X7S": 3, "X5R": 4, "X6R": 5, "X7R": 6, "X8R": 7, "C0G": 8}}}}; atopile_address: dclk_shifter.decoupling_caps[1]; atopile_subaddresses: [.ato/modules/atopile/diodes-inc-74lvc1t45dw-7/layouts/default/default.kicad_pcb:decoupling_caps[1]]
C444 = -: Datasheet: https://www.lcsc.com/datasheet/lcsc_datasheet_2304140030_Samsung-Electro-Mechanics-CL05B104KO5NNNC_C1525.pdf; LCSC: C1525; Manufacturer: Samsung Electro-Mechanics; Partnumber: CL05B104KO5NNNC; PARAM_capacitance: {"type": "Quantity_Interval_Disjoint", "data": {"intervals": {"type": "Numeric_Interval_Disjoint", "data": {"intervals": [{"type": "Numeric_Interval", "data": {"min": 9e-08, "max": 1.1e-07}}]}}, "unit": "farad"}}; PARAM_max_voltage: {"type": "Quantity_Set_Discrete", "data": {"intervals": {"type": "Numeric_Interval_Disjoint", "data": {"intervals": [{"type": "Numeric_Interval", "data": {"min": 16.0, "max": 16.0}}]}}, "unit": "volt"}}; PARAM_temperature_coefficient: {"type": "EnumSet", "data": {"elements": [{"name": "X7R"}], "enum": {"name": "TemperatureCoefficient", "values": {"Y5V": 1, "Z5U": 2, "X7S": 3, "X5R": 4, "X6R": 5, "X7R": 6, "X8R": 7, "C0G": 8}}}}; atopile_address: gclk_shifter.decoupling_caps[0]; atopile_subaddresses: [.ato/modules/atopile/diodes-inc-74lvc1t45dw-7/layouts/default/default.kicad_pcb:decoupling_caps[0]]
C445 = -: Datasheet: https://www.lcsc.com/datasheet/lcsc_datasheet_2304140030_Samsung-Electro-Mechanics-CL05B104KO5NNNC_C1525.pdf; LCSC: C1525; Manufacturer: Samsung Electro-Mechanics; Partnumber: CL05B104KO5NNNC; PARAM_capacitance: {"type": "Quantity_Interval_Disjoint", "data": {"intervals": {"type": "Numeric_Interval_Disjoint", "data": {"intervals": [{"type": "Numeric_Interval", "data": {"min": 9e-08, "max": 1.1e-07}}]}}, "unit": "farad"}}; PARAM_max_voltage: {"type": "Quantity_Set_Discrete", "data": {"intervals": {"type": "Numeric_Interval_Disjoint", "data": {"intervals": [{"type": "Numeric_Interval", "data": {"min": 16.0, "max": 16.0}}]}}, "unit": "volt"}}; PARAM_temperature_coefficient: {"type": "EnumSet", "data": {"elements": [{"name": "X7R"}], "enum": {"name": "TemperatureCoefficient", "values": {"Y5V": 1, "Z5U": 2, "X7S": 3, "X5R": 4, "X6R": 5, "X7R": 6, "X8R": 7, "C0G": 8}}}}; atopile_address: gclk_shifter.decoupling_caps[1]; atopile_subaddresses: [.ato/modules/atopile/diodes-inc-74lvc1t45dw-7/layouts/default/default.kicad_pcb:decoupling_caps[1]]
C446 = -: Datasheet: https://www.lcsc.com/datasheet/lcsc_datasheet_2304140030_Samsung-Electro-Mechanics-CL05B104KO5NNNC_C1525.pdf; LCSC: C1525; Manufacturer: Samsung Electro-Mechanics; Partnumber: CL05B104KO5NNNC; PARAM_capacitance: {"type": "Quantity_Interval_Disjoint", "data": {"intervals": {"type": "Numeric_Interval_Disjoint", "data": {"intervals": [{"type": "Numeric_Interval", "data": {"min": 9e-08, "max": 1.1e-07}}]}}, "unit": "farad"}}; PARAM_max_voltage: {"type": "Quantity_Set_Discrete", "data": {"intervals": {"type": "Numeric_Interval_Disjoint", "data": {"intervals": [{"type": "Numeric_Interval", "data": {"min": 16.0, "max": 16.0}}]}}, "unit": "volt"}}; PARAM_temperature_coefficient: {"type": "EnumSet", "data": {"elements": [{"name": "X7R"}], "enum": {"name": "TemperatureCoefficient", "values": {"Y5V": 1, "Z5U": 2, "X7S": 3, "X5R": 4, "X6R": 5, "X7R": 6, "X8R": 7, "C0G": 8}}}}; atopile_address: latch_shifter.decoupling_caps[0]; atopile_subaddresses: [.ato/modules/atopile/diodes-inc-74lvc1t45dw-7/layouts/default/default.kicad_pcb:decoupling_caps[0]]
C447 = -: Datasheet: https://www.lcsc.com/datasheet/lcsc_datasheet_2304140030_Samsung-Electro-Mechanics-CL05B104KO5NNNC_C1525.pdf; LCSC: C1525; Manufacturer: Samsung Electro-Mechanics; Partnumber: CL05B104KO5NNNC; PARAM_capacitance: {"type": "Quantity_Interval_Disjoint", "data": {"intervals": {"type": "Numeric_Interval_Disjoint", "data": {"intervals": [{"type": "Numeric_Interval", "data": {"min": 9e-08, "max": 1.1e-07}}]}}, "unit": "farad"}}; PARAM_max_voltage: {"type": "Quantity_Set_Discrete", "data": {"intervals": {"type": "Numeric_Interval_Disjoint", "data": {"intervals": [{"type": "Numeric_Interval", "data": {"min": 16.0, "max": 16.0}}]}}, "unit": "volt"}}; PARAM_temperature_coefficient: {"type": "EnumSet", "data": {"elements": [{"name": "X7R"}], "enum": {"name": "TemperatureCoefficient", "values": {"Y5V": 1, "Z5U": 2, "X7S": 3, "X5R": 4, "X6R": 5, "X7R": 6, "X8R": 7, "C0G": 8}}}}; atopile_address: latch_shifter.decoupling_caps[1]; atopile_subaddresses: [.ato/modules/atopile/diodes-inc-74lvc1t45dw-7/layouts/default/default.kicad_pcb:decoupling_caps[1]]
C448 = -: Datasheet: https://www.lcsc.com/datasheet/lcsc_datasheet_2304140030_Samsung-Electro-Mechanics-CL05A105KA5NQNC_C52923.pdf; LCSC: C52923; Manufacturer: Samsung Electro-Mechanics; Partnumber: CL05A105KA5NQNC; PARAM_capacitance: {"type": "Quantity_Interval_Disjoint", "data": {"intervals": {"type": "Numeric_Interval_Disjoint", "data": {"intervals": [{"type": "Numeric_Interval", "data": {"min": 8.99999999e-07, "max": 1.100000001e-06}}]}}, "unit": "farad"}}; PARAM_max_voltage: {"type": "Quantity_Set_Discrete", "data": {"intervals": {"type": "Numeric_Interval_Disjoint", "data": {"intervals": [{"type": "Numeric_Interval", "data": {"min": 25.0, "max": 25.0}}]}}, "unit": "volt"}}; PARAM_temperature_coefficient: {"type": "EnumSet", "data": {"elements": [{"name": "X5R"}], "enum": {"name": "TemperatureCoefficient", "values": {"Y5V": 1, "Z5U": 2, "X7S": 3, "X5R": 4, "X6R": 5, "X7R": 6, "X8R": 7, "C0G": 8}}}}; atopile_address: ldo.input_decoupling_capacitor; atopile_subaddresses: [.ato/modules/atopile/st-ldk220/layouts/default/default.kicad_pcb:input_decoupling_capacitor]
C449 = -: Datasheet: https://www.lcsc.com/datasheet/lcsc_datasheet_2304140030_Samsung-Electro-Mechanics-CL05A105KA5NQNC_C52923.pdf; LCSC: C52923; Manufacturer: Samsung Electro-Mechanics; Partnumber: CL05A105KA5NQNC; PARAM_capacitance: {"type": "Quantity_Interval_Disjoint", "data": {"intervals": {"type": "Numeric_Interval_Disjoint", "data": {"intervals": [{"type": "Numeric_Interval", "data": {"min": 8.99999999e-07, "max": 1.100000001e-06}}]}}, "unit": "farad"}}; PARAM_max_voltage: {"type": "Quantity_Set_Discrete", "data": {"intervals": {"type": "Numeric_Interval_Disjoint", "data": {"intervals": [{"type": "Numeric_Interval", "data": {"min": 25.0, "max": 25.0}}]}}, "unit": "volt"}}; PARAM_temperature_coefficient: {"type": "EnumSet", "data": {"elements": [{"name": "X5R"}], "enum": {"name": "TemperatureCoefficient", "values": {"Y5V": 1, "Z5U": 2, "X7S": 3, "X5R": 4, "X6R": 5, "X7R": 6, "X8R": 7, "C0G": 8}}}}; atopile_address: ldo.output_decoupling_capacitor; atopile_subaddresses: [.ato/modules/atopile/st-ldk220/layouts/default/default.kicad_pcb:output_decoupling_capacitor]
C450 = -: Datasheet: https://www.lcsc.com/datasheet/lcsc_datasheet_2304140030_Samsung-Electro-Mechanics-CL05A105KA5NQNC_C52923.pdf; LCSC: C52923; Manufacturer: Samsung Electro-Mechanics; Partnumber: CL05A105KA5NQNC; PARAM_capacitance: {"type": "Quantity_Interval_Disjoint", "data": {"intervals": {"type": "Numeric_Interval_Disjoint", "data": {"intervals": [{"type": "Numeric_Interval", "data": {"min": 8.99999999e-07, "max": 1.100000001e-06}}]}}, "unit": "farad"}}; PARAM_max_voltage: {"type": "Quantity_Set_Discrete", "data": {"intervals": {"type": "Numeric_Interval_Disjoint", "data": {"intervals": [{"type": "Numeric_Interval", "data": {"min": 25.0, "max": 25.0}}]}}, "unit": "volt"}}; PARAM_temperature_coefficient: {"type": "EnumSet", "data": {"elements": [{"name": "X5R"}], "enum": {"name": "TemperatureCoefficient", "values": {"Y5V": 1, "Z5U": 2, "X7S": 3, "X5R": 4, "X6R": 5, "X7R": 6, "X8R": 7, "C0G": 8}}}}; atopile_address: micro.boot_switch.filter.capacitor; atopile_subaddresses: [.ato/modules/atopile/raspberry-rp2040/layouts/default/default.kicad_pcb:boot_switch.filter.capacitor]
C451 = -: Datasheet: https://www.lcsc.com/datasheet/lcsc_datasheet_2304140030_Samsung-Electro-Mechanics-CL05A225MQ5NSNC_C12530.pdf; LCSC: C12530; Manufacturer: Samsung Electro-Mechanics; Partnumber: CL05A225MQ5NSNC; PARAM_capacitance: {"type": "Quantity_Interval_Disjoint", "data": {"intervals": {"type": "Numeric_Interval_Disjoint", "data": {"intervals": [{"type": "Numeric_Interval", "data": {"min": 1.759999993e-06, "max": 2.640000007e-06}}]}}, "unit": "farad"}}; PARAM_max_voltage: {"type": "Quantity_Set_Discrete", "data": {"intervals": {"type": "Numeric_Interval_Disjoint", "data": {"intervals": [{"type": "Numeric_Interval", "data": {"min": 6.3, "max": 6.3}}]}}, "unit": "volt"}}; PARAM_temperature_coefficient: {"type": "EnumSet", "data": {"elements": [{"name": "X5R"}], "enum": {"name": "TemperatureCoefficient", "values": {"Y5V": 1, "Z5U": 2, "X7S": 3, "X5R": 4, "X6R": 5, "X7R": 6, "X8R": 7, "C0G": 8}}}}; atopile_address: micro.core_power_decoupling_capacitor[0]; atopile_subaddresses: [.ato/modules/atopile/raspberry-rp2040/layouts/default/default.kicad_pcb:core_power_decoupling_capacitor[0]]
C452 = -: Datasheet: https://www.lcsc.com/datasheet/lcsc_datasheet_2304140030_Samsung-Electro-Mechanics-CL05B104KO5NNNC_C1525.pdf; LCSC: C1525; Manufacturer: Samsung Electro-Mechanics; Partnumber: CL05B104KO5NNNC; PARAM_capacitance: {"type": "Quantity_Interval_Disjoint", "data": {"intervals": {"type": "Numeric_Interval_Disjoint", "data": {"intervals": [{"type": "Numeric_Interval", "data": {"min": 9e-08, "max": 1.1e-07}}]}}, "unit": "farad"}}; PARAM_max_voltage: {"type": "Quantity_Set_Discrete", "data": {"intervals": {"type": "Numeric_Interval_Disjoint", "data": {"intervals": [{"type": "Numeric_Interval", "data": {"min": 16.0, "max": 16.0}}]}}, "unit": "volt"}}; PARAM_temperature_coefficient: {"type": "EnumSet", "data": {"elements": [{"name": "X7R"}], "enum": {"name": "TemperatureCoefficient", "values": {"Y5V": 1, "Z5U": 2, "X7S": 3, "X5R": 4, "X6R": 5, "X7R": 6, "X8R": 7, "C0G": 8}}}}; atopile_address: micro.core_power_decoupling_capacitor[1]; atopile_subaddresses: [.ato/modules/atopile/raspberry-rp2040/layouts/default/default.kicad_pcb:core_power_decoupling_capacitor[1]]
C453 = -: Datasheet: https://www.lcsc.com/datasheet/lcsc_datasheet_2304140030_Samsung-Electro-Mechanics-CL05B104KO5NNNC_C1525.pdf; LCSC: C1525; Manufacturer: Samsung Electro-Mechanics; Partnumber: CL05B104KO5NNNC; PARAM_capacitance: {"type": "Quantity_Interval_Disjoint", "data": {"intervals": {"type": "Numeric_Interval_Disjoint", "data": {"intervals": [{"type": "Numeric_Interval", "data": {"min": 9e-08, "max": 1.1e-07}}]}}, "unit": "farad"}}; PARAM_max_voltage: {"type": "Quantity_Set_Discrete", "data": {"intervals": {"type": "Numeric_Interval_Disjoint", "data": {"intervals": [{"type": "Numeric_Interval", "data": {"min": 16.0, "max": 16.0}}]}}, "unit": "volt"}}; PARAM_temperature_coefficient: {"type": "EnumSet", "data": {"elements": [{"name": "X7R"}], "enum": {"name": "TemperatureCoefficient", "values": {"Y5V": 1, "Z5U": 2, "X7S": 3, "X5R": 4, "X6R": 5, "X7R": 6, "X8R": 7, "C0G": 8}}}}; atopile_address: micro.core_power_decoupling_capacitor[2]; atopile_subaddresses: [.ato/modules/atopile/raspberry-rp2040/layouts/default/default.kicad_pcb:core_power_decoupling_capacitor[2]]
C454 = -: Datasheet: https://www.lcsc.com/datasheet/lcsc_datasheet_2304140030_FH--Guangdong-Fenghua-Advanced-Tech-0402CG150J500NT_C1548.pdf; LCSC: C1548; Manufacturer: FH(Guangdong Fenghua Advanced Tech); Partnumber: 0402CG150J500NT; PARAM_capacitance: {"type": "Quantity_Interval_Disjoint", "data": {"intervals": {"type": "Numeric_Interval_Disjoint", "data": {"intervals": [{"type": "Numeric_Interval", "data": {"min": 1.425e-11, "max": 1.575e-11}}]}}, "unit": "farad"}}; PARAM_max_voltage: {"type": "Quantity_Set_Discrete", "data": {"intervals": {"type": "Numeric_Interval_Disjoint", "data": {"intervals": [{"type": "Numeric_Interval", "data": {"min": 50.0, "max": 50.0}}]}}, "unit": "volt"}}; PARAM_temperature_coefficient: {"type": "EnumSet", "data": {"elements": [{"name": "C0G"}], "enum": {"name": "TemperatureCoefficient", "values": {"Y5V": 1, "Z5U": 2, "X7S": 3, "X5R": 4, "X6R": 5, "X7R": 6, "X8R": 7, "C0G": 8}}}}; atopile_address: micro.crystal_oscillator.compensation_capacitors[0]; atopile_subaddresses: [.ato/modules/atopile/raspberry-rp2040/layouts/default/default.kicad_pcb:crystal_oscillator.compensation_capacitors[0]]
